# Altium PCB 智能马桶综合检测台_数据板V1.0.PcbDoc (part 4 of 8) (continued)
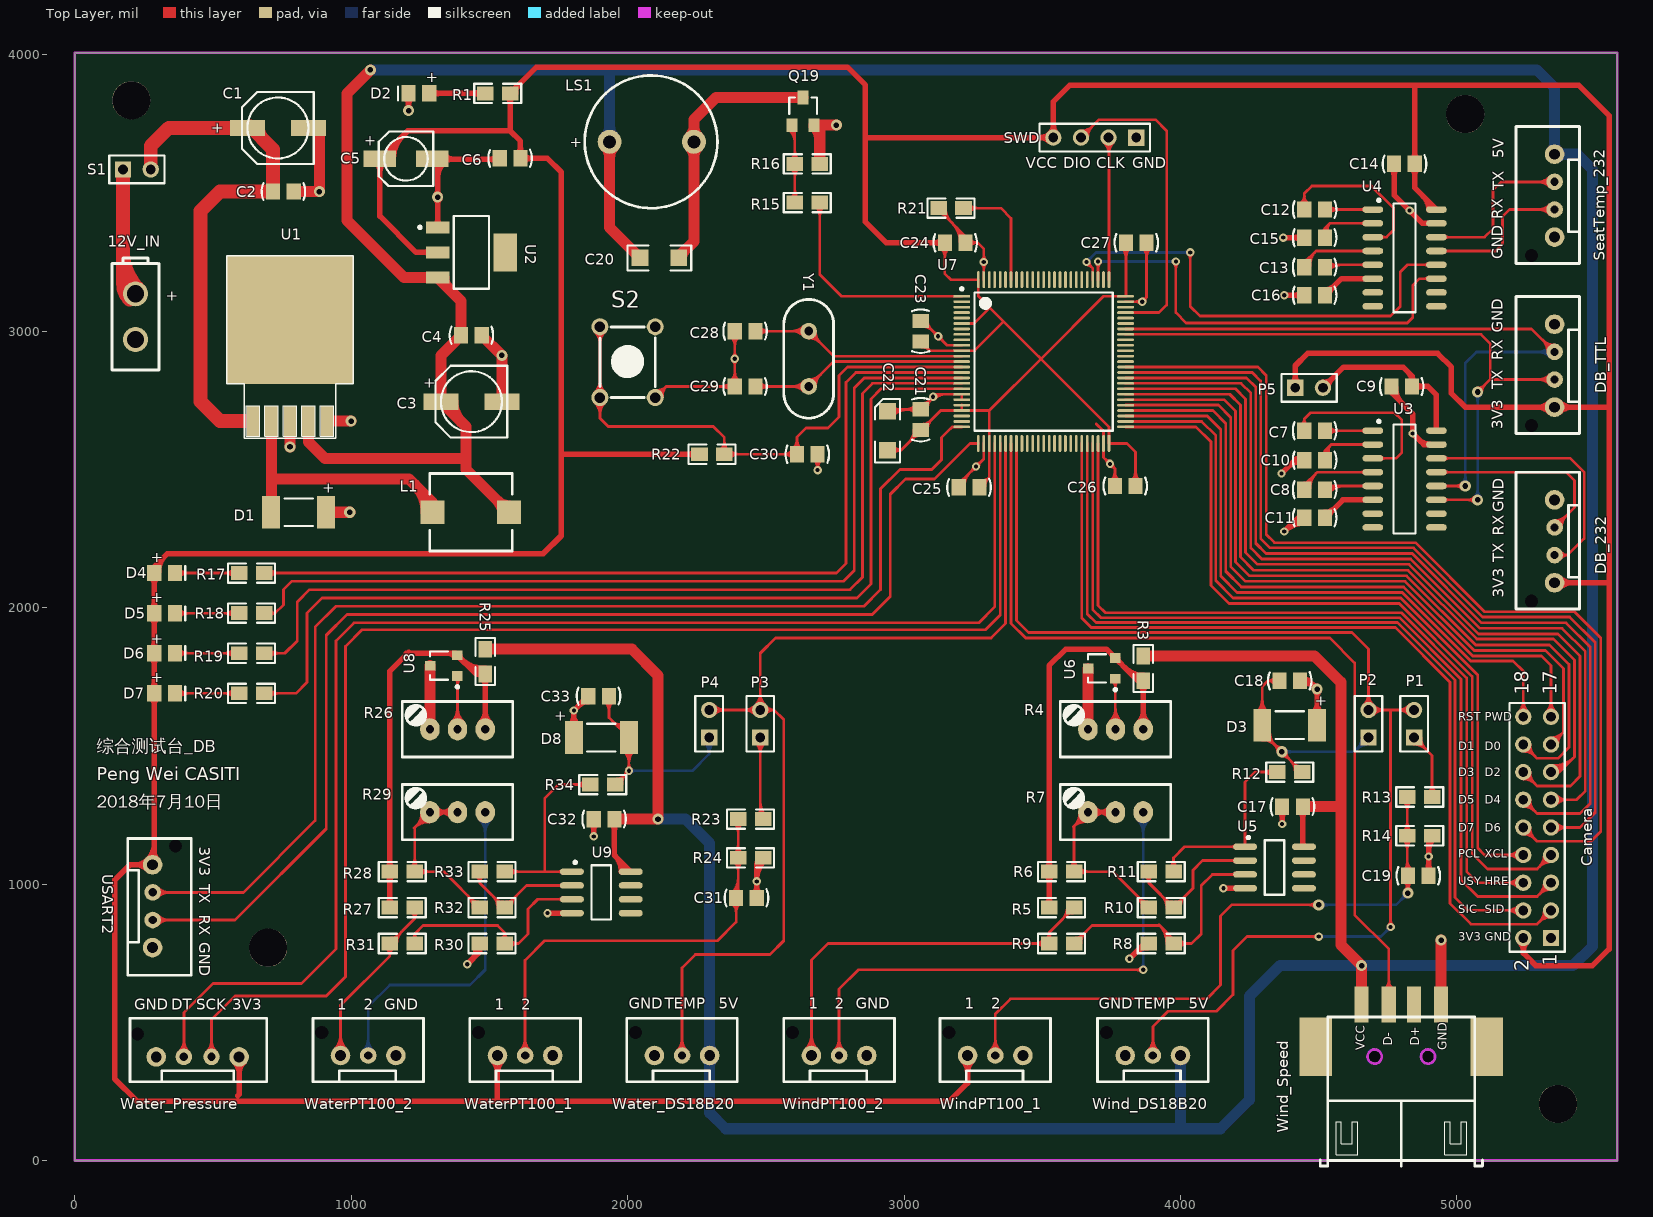
[diagram p0: Top Layer view]
## Nets (pads, with @x,y where several pads share a name; then routed paths per layer and width w, separated by ;. In a path a pad name is that pad's centre, name@x,y a point inside that pad or via, vN(x,y) a via of type N, cw(c..) or ccw(c..) an arc to the next point about the centre after c; other vN are vias at no path point) (continued)
  Bottom Layer w10: v2(4500,925) 4780,925 v2(4822.6,967.6) ; v2@4510.61,914.39 cw(c4536.21,888.79) 4536.21,925 ; v2@4510.61,914.39 cw(c4536.21,888.79) 4536.21,925 ; v2@4510.61,914.39 cw(c4536.21,888.79) 4536.21,925 ; v2@4510.61,914.39 cw(c4536.21,888.79) 4536.21,925 ; v2@4510.61,914.39 cw(c4536.21,888.79) 4536.21,925 ; v2@4510.61,914.39 cw(c4536.21,888.79) 4536.21,925 ; v2@4510.61,935.61 ccw(c4536.21,961.21) 4536.21,925 ; v2@4510.61,935.61 ccw(c4536.21,961.21) 4536.21,925 ; v2@4510.61,935.61 ccw(c4536.21,961.21) 4536.21,925 ; v2@4510.61,935.61 ccw(c4536.21,961.21) 4536.21,925 ; v2@4510.61,935.61 ccw(c4536.21,961.21) 4536.21,925 ; v2@4510.61,935.61 ccw(c4536.21,961.21) 4536.21,925 ; 4796.99,941.99 cw(c4822.6,916.39) v2@4822.6,952.6 ; 4796.99,941.99 ccw(c4771.39,967.6) v2@4807.6,967.6 ; 4796.99,941.99 ccw(c4771.39,967.6) v2@4807.6,967.6 ; 4796.99,941.99 cw(c4822.6,916.39) v2@4822.6,952.6 ; 4796.99,941.99 ccw(c4771.39,967.6) v2@4807.6,967.6 ; 4796.99,941.99 cw(c4822.6,916.39) v2@4822.6,952.6 ; 4796.99,941.99 ccw(c4771.39,967.6) v2@4807.6,967.6 ; 4796.99,941.99 cw(c4822.6,916.39) v2@4822.6,952.6 ; 4796.99,941.99 ccw(c4771.39,967.6) v2@4807.6,967.6 ; 4796.99,941.99 cw(c4822.6,916.39) v2@4822.6,952.6 ; 4796.99,941.99 ccw(c4771.39,967.6) v2@4807.6,967.6 ; 4796.99,941.99 cw(c4822.6,916.39) v2@4822.6,952.6
NetC20_1: C20.1 LS1.2 Q19.3 | length 2170.1
  Top Layer w40: C20.1@2190,3275 2240,3325 2240,3765 2320,3845 Q19.3@2635,3845 ; C20.1@2195,3265 cw(c2231.21,3265) C20.1@2205.61,3290.61 ; C20.1@2195,3265 cw(c2231.21,3265) C20.1@2205.61,3290.61 ; C20.1@2195,3265 cw(c2231.21,3265) C20.1@2205.61,3290.61 ; C20.1@2195,3265 cw(c2231.21,3265) C20.1@2205.61,3290.61 ; C20.1@2195,3265 cw(c2231.21,3265) C20.1@2205.61,3290.61 ; C20.1@2195,3265 cw(c2231.21,3265) C20.1@2205.61,3290.61 ; LS1.2@2223.52,3668.52 cw(c2183.73,3628.73) 2240,3628.73 ; LS1.2@2223.52,3668.52 cw(c2183.73,3628.73) 2240,3628.73 ; LS1.2@2223.52,3668.52 cw(c2183.73,3628.73) 2240,3628.73 ; LS1.2@2223.52,3668.52 cw(c2183.73,3628.73) 2240,3628.73 ; LS1.2@2223.52,3668.52 cw(c2183.73,3628.73) 2240,3628.73 ; LS1.2@2223.52,3668.52 cw(c2183.73,3628.73) 2240,3628.73 ; LS1.2@2223.52,3701.48 ccw(c2183.73,3741.27) 2240,3741.27 ; LS1.2@2223.52,3701.48 ccw(c2183.73,3741.27) 2240,3741.27 ; LS1.2@2223.52,3701.48 ccw(c2183.73,3741.27) 2240,3741.27 ; LS1.2@2223.52,3701.48 ccw(c2183.73,3741.27) 2240,3741.27 ; LS1.2@2223.52,3701.48 ccw(c2183.73,3741.27) 2240,3741.27 ; LS1.2@2223.52,3701.48 ccw(c2183.73,3741.27) 2240,3741.27 ; 2240,3628.73 cw(c2296.27,3628.73) LS1.2@2256.48,3668.52 ; 2240,3628.73 cw(c2296.27,3628.73) LS1.2@2256.48,3668.52 ; 2240,3628.73 cw(c2296.27,3628.73) LS1.2@2256.48,3668.52 ; 2240,3628.73 cw(c2296.27,3628.73) LS1.2@2256.48,3668.52 ; 2240,3628.73 cw(c2296.27,3628.73) LS1.2@2256.48,3668.52 ; 2240,3628.73 cw(c2296.27,3628.73) LS1.2@2256.48,3668.52 ; 2240,3741.27 ccw(c2296.27,3741.27) LS1.2@2256.48,3701.48 ; 2240,3741.27 ccw(c2296.27,3741.27) LS1.2@2256.48,3701.48 ; 2240,3741.27 ccw(c2296.27,3741.27) LS1.2@2256.48,3701.48 ; 2240,3741.27 ccw(c2296.27,3741.27) LS1.2@2256.48,3701.48 ; 2240,3741.27 ccw(c2296.27,3741.27) LS1.2@2256.48,3701.48 ; 2240,3741.27 ccw(c2296.27,3741.27) LS1.2@2256.48,3701.48
NetC31_1: C31.1 R23.1 R24.2 WaterPT100_1.2 | length 4992.3
  Top Layer w10: WaterPT100_1.2@1629.33,380 1629.33,724.33 1700,795 2325,795 2392.6,862.6 C31.1@2392.6,950 2400,957.4 R24.2@2400,1095 R23.1@2400,1235 ; WaterPT100_1.2@1611.66,397.68 ccw(c1568.98,440.36) 1629.33,440.36 ; WaterPT100_1.2@1611.66,397.68 ccw(c1568.98,440.36) 1629.33,440.36 ; WaterPT100_1.2@1611.66,397.68 ccw(c1568.98,440.36) 1629.33,440.36 ; WaterPT100_1.2@1611.66,397.68 ccw(c1568.98,440.36) 1629.33,440.36 ; WaterPT100_1.2@1611.66,397.68 ccw(c1568.98,440.36) 1629.33,440.36 ; WaterPT100_1.2@1611.66,397.68 ccw(c1568.98,440.36) 1629.33,440.36 ; WaterPT100_1.2@1618.73,390.61 ccw(c1593.12,416.21) 1629.33,416.21 ; WaterPT100_1.2@1618.73,390.61 ccw(c1593.12,416.21) 1629.33,416.21 ; WaterPT100_1.2@1618.73,390.61 ccw(c1593.12,416.21) 1629.33,416.21 ; WaterPT100_1.2@1618.73,390.61 ccw(c1593.12,416.21) 1629.33,416.21 ; WaterPT100_1.2@1618.73,390.61 ccw(c1593.12,416.21) 1629.33,416.21 ; WaterPT100_1.2@1618.73,390.61 ccw(c1593.12,416.21) 1629.33,416.21 ; 1629.33,416.21 ccw(c1665.55,416.21) WaterPT100_1.2@1639.94,390.61 ; 1629.33,416.21 ccw(c1665.55,416.21) WaterPT100_1.2@1639.94,390.61 ; 1629.33,416.21 ccw(c1665.55,416.21) WaterPT100_1.2@1639.94,390.61 ; 1629.33,416.21 ccw(c1665.55,416.21) WaterPT100_1.2@1639.94,390.61 ; 1629.33,416.21 ccw(c1665.55,416.21) WaterPT100_1.2@1639.94,390.61 ; 1629.33,416.21 ccw(c1665.55,416.21) WaterPT100_1.2@1639.94,390.61 ; 1629.33,440.36 ccw(c1689.69,440.36) WaterPT100_1.2@1647.01,397.68 ; 1629.33,440.36 ccw(c1689.69,440.36) WaterPT100_1.2@1647.01,397.68 ; 1629.33,440.36 ccw(c1689.69,440.36) WaterPT100_1.2@1647.01,397.68 ; 1629.33,440.36 ccw(c1689.69,440.36) WaterPT100_1.2@1647.01,397.68 ; 1629.33,440.36 ccw(c1689.69,440.36) WaterPT100_1.2@1647.01,397.68 ; 1629.33,440.36 ccw(c1689.69,440.36) WaterPT100_1.2@1647.01,397.68 ; C31.1@2378.04,931.5 cw(c2342.89,896.35) 2392.6,896.35 ; C31.1@2378.04,931.5 cw(c2342.89,896.35) 2392.6,896.35 ; C31.1@2378.04,931.5 cw(c2342.89,896.35) 2392.6,896.35 ; C31.1@2378.04,931.5 cw(c2342.89,896.35) 2392.6,896.35 ; C31.1@2378.04,931.5 cw(c2342.89,896.35) 2392.6,896.35 ; C31.1@2378.04,931.5 cw(c2342.89,896.35) 2392.6,896.35 ; C31.1@2378.04,968.5 ccw(c2325.02,1021.52) 2400,1021.52 ; C31.1@2378.04,968.5 ccw(c2325.02,1021.52) 2400,1021.52 ; C31.1@2378.04,968.5 ccw(c2325.02,1021.52) 2400,1021.52 ; C31.1@2378.04,968.5 ccw(c2325.02,1021.52) 2400,1021.52 ; C31.1@2378.04,968.5 ccw(c2325.02,1021.52) 2400,1021.52 ; C31.1@2378.04,968.5 ccw(c2325.02,1021.52) 2400,1021.52 ; C31.1@2385.11,961.43 ccw(c2349.16,997.37) 2400,997.37 ; C31.1@2385.11,961.43 ccw(c2349.16,997.37) 2400,997.37 ; C31.1@2385.11,961.43 ccw(c2349.16,997.37) 2400,997.37 ; C31.1@2385.11,961.43 ccw(c2349.16,997.37) 2400,997.37 ; C31.1@2385.11,961.43 ccw(c2349.16,997.37) 2400,997.37 ; C31.1@2385.11,961.43 ccw(c2349.16,997.37) 2400,997.37 ; R24.2@2385.86,1080.86 cw(c2351.72,1046.72) 2400,1046.72 ; R24.2@2385.86,1080.86 cw(c2351.72,1046.72) 2400,1046.72 ; R24.2@2385.86,1080.86 cw(c2351.72,1046.72) 2400,1046.72 ; R24.2@2385.86,1080.86 cw(c2351.72,1046.72) 2400,1046.72 ; R24.2@2385.86,1080.86 cw(c2351.72,1046.72) 2400,1046.72 ; R24.2@2385.86,1080.86 cw(c2351.72,1046.72) 2400,1046.72 ; R24.2@2385.86,1109.14 ccw(c2351.72,1143.28) 2400,1143.28 ; R24.2@2385.86,1109.14 ccw(c2351.72,1143.28) 2400,1143.28 ; R24.2@2385.86,1109.14 ccw(c2351.72,1143.28) 2400,1143.28 ; R24.2@2385.86,1109.14 ccw(c2351.72,1143.28) 2400,1143.28 ; R24.2@2385.86,1109.14 ccw(c2351.72,1143.28) 2400,1143.28 ; R24.2@2385.86,1109.14 ccw(c2351.72,1143.28) 2400,1143.28 ; R23.1@2385.86,1220.86 cw(c2351.72,1186.72) 2400,1186.72 ; R23.1@2385.86,1220.86 cw(c2351.72,1186.72) 2400,1186.72 ; R23.1@2385.86,1220.86 cw(c2351.72,1186.72) 2400,1186.72 ; R23.1@2385.86,1220.86 cw(c2351.72,1186.72) 2400,1186.72 ; R23.1@2385.86,1220.86 cw(c2351.72,1186.72) 2400,1186.72 ; R23.1@2385.86,1220.86 cw(c2351.72,1186.72) 2400,1186.72 ; 2392.6,896.35 cw(c2442.31,896.35) C31.1@2407.16,931.5 ; 2392.6,896.35 cw(c2442.31,896.35) C31.1@2407.16,931.5 ; 2392.6,896.35 cw(c2442.31,896.35) C31.1@2407.16,931.5 ; 2392.6,896.35 cw(c2442.31,896.35) C31.1@2407.16,931.5 ; 2392.6,896.35 cw(c2442.31,896.35) C31.1@2407.16,931.5 ; 2392.6,896.35 cw(c2442.31,896.35) C31.1@2407.16,931.5 ; 2400,985.78 ccw(c2424.44,985.78) C31.1@2407.16,968.5 ; 2400,985.78 ccw(c2424.44,985.78) C31.1@2407.16,968.5 ; 2400,985.78 ccw(c2424.44,985.78) C31.1@2407.16,968.5 ; 2400,985.78 ccw(c2424.44,985.78) C31.1@2407.16,968.5 ; 2400,985.78 ccw(c2424.44,985.78) C31.1@2407.16,968.5 ; 2400,985.78 ccw(c2424.44,985.78) C31.1@2407.16,968.5 ; 2400,1046.72 cw(c2448.28,1046.72) R24.2@2414.14,1080.86 ; 2400,1046.72 cw(c2448.28,1046.72) R24.2@2414.14,1080.86 ; 2400,1046.72 cw(c2448.28,1046.72) R24.2@2414.14,1080.86 ; 2400,1046.72 cw(c2448.28,1046.72) R24.2@2414.14,1080.86 ; 2400,1046.72 cw(c2448.28,1046.72) R24.2@2414.14,1080.86 ; 2400,1046.72 cw(c2448.28,1046.72) R24.2@2414.14,1080.86 ; 2400,1143.28 ccw(c2448.28,1143.28) R24.2@2414.14,1109.14 ; 2400,1143.28 ccw(c2448.28,1143.28) R24.2@2414.14,1109.14 ; 2400,1143.28 ccw(c2448.28,1143.28) R24.2@2414.14,1109.14 ; 2400,1143.28 ccw(c2448.28,1143.28) R24.2@2414.14,1109.14 ; 2400,1143.28 ccw(c2448.28,1143.28) R24.2@2414.14,1109.14 ; 2400,1143.28 ccw(c2448.28,1143.28) R24.2@2414.14,1109.14 ; 2400,1186.72 cw(c2448.28,1186.72) R23.1@2414.14,1220.86 ; 2400,1186.72 cw(c2448.28,1186.72) R23.1@2414.14,1220.86 ; 2400,1186.72 cw(c2448.28,1186.72) R23.1@2414.14,1220.86 ; 2400,1186.72 cw(c2448.28,1186.72) R23.1@2414.14,1220.86 ; 2400,1186.72 cw(c2448.28,1186.72) R23.1@2414.14,1220.86 ; 2400,1186.72 cw(c2448.28,1186.72) R23.1@2414.14,1220.86
NetC33_2: C33.2 D8.2 P4.1 R34.1 | length 4972.1
  Top Layer w10: C33.2@1932.4,1680 1932.4,1602.01 D8.2@2004.41,1530 2004.41,1409.41 R34.1@1955,1360 ; C33.2@1917.84,1661.5 cw(c1882.69,1626.35) 1932.4,1626.35 ; C33.2@1917.84,1661.5 cw(c1882.69,1626.35) 1932.4,1626.35 ; C33.2@1917.84,1661.5 cw(c1882.69,1626.35) 1932.4,1626.35 ; C33.2@1917.84,1661.5 cw(c1882.69,1626.35) 1932.4,1626.35 ; C33.2@1917.84,1661.5 cw(c1882.69,1626.35) 1932.4,1626.35 ; C33.2@1917.84,1661.5 cw(c1882.69,1626.35) 1932.4,1626.35 ; 1932.4,1626.35 cw(c1982.11,1626.35) C33.2@1946.96,1661.5 ; 1932.4,1626.35 cw(c1982.11,1626.35) C33.2@1946.96,1661.5 ; 1932.4,1626.35 cw(c1982.11,1626.35) C33.2@1946.96,1661.5 ; 1932.4,1626.35 cw(c1982.11,1626.35) C33.2@1946.96,1661.5 ; 1932.4,1626.35 cw(c1982.11,1626.35) C33.2@1946.96,1661.5 ; 1932.4,1626.35 cw(c1982.11,1626.35) C33.2@1946.96,1661.5 ; 1945.69,1588.72 ccw(c1974.16,1617.19) D8.2@1992.14,1581.16 ; 1945.69,1588.72 ccw(c1974.16,1617.19) D8.2@1992.14,1581.16 ; 1945.69,1588.72 ccw(c1974.16,1617.19) D8.2@1992.14,1581.16 ; 1945.69,1588.72 ccw(c1974.16,1617.19) D8.2@1992.14,1581.16 ; 1945.69,1588.72 ccw(c1974.16,1617.19) D8.2@1992.14,1581.16 ; 1945.69,1588.72 ccw(c1974.16,1617.19) D8.2@1992.14,1581.16 ; 1955.51,1578.9 ccw(c1980.7,1604.09) D8.2@1996.6,1572.22 ; 1955.51,1578.9 ccw(c1980.7,1604.09) D8.2@1996.6,1572.22 ; 1955.51,1578.9 ccw(c1980.7,1604.09) D8.2@1996.6,1572.22 ; 1955.51,1578.9 ccw(c1980.7,1604.09) D8.2@1996.6,1572.22 ; 1955.51,1578.9 ccw(c1980.7,1604.09) D8.2@1996.6,1572.22 ; 1955.51,1578.9 ccw(c1980.7,1604.09) D8.2@1996.6,1572.22 ; R34.1@1960,1380 ccw(c1960,1416.21) 1985.61,1390.61 ; R34.1@1960,1380 ccw(c1960,1416.21) 1985.61,1390.61 ; R34.1@1960,1380 ccw(c1960,1416.21) 1985.61,1390.61 ; R34.1@1960,1380 ccw(c1960,1416.21) 1985.61,1390.61 ; R34.1@1960,1380 ccw(c1960,1416.21) 1985.61,1390.61 ; R34.1@1960,1380 ccw(c1960,1416.21) 1985.61,1390.61 ; 1965.33,1569.08 ccw(c1987.23,1590.99) D8.2@2001.07,1563.27 ; 1965.33,1569.08 ccw(c1987.23,1590.99) D8.2@2001.07,1563.27 ; 1965.33,1569.08 ccw(c1987.23,1590.99) D8.2@2001.07,1563.27 ; 1965.33,1569.08 ccw(c1987.23,1590.99) D8.2@2001.07,1563.27 ; 1965.33,1569.08 ccw(c1987.23,1590.99) D8.2@2001.07,1563.27 ; 1965.33,1569.08 ccw(c1987.23,1590.99) D8.2@2001.07,1563.27 ; R34.1@1970,1360 cw(c2006.21,1360) 1980.61,1385.61 ; R34.1@1970,1360 cw(c2006.21,1360) 1980.61,1385.61 ; R34.1@1970,1360 cw(c2006.21,1360) 1980.61,1385.61 ; R34.1@1970,1360 cw(c2006.21,1360) 1980.61,1385.61 ; R34.1@1970,1360 cw(c2006.21,1360) 1980.61,1385.61 ; R34.1@1970,1360 cw(c2006.21,1360) 1980.61,1385.61 ; R34.1@1980,1360 cw(c2040.36,1360) v1@1997.68,1402.68 ; R34.1@1980,1360 cw(c2040.36,1360) v1@1997.68,1402.68 ; R34.1@1980,1360 cw(c2040.36,1360) v1@1997.68,1402.68 ; R34.1@1980,1360 cw(c2040.36,1360) v1@1997.68,1402.68 ; R34.1@1980,1360 cw(c2040.36,1360) v1@1997.68,1402.68 ; R34.1@1980,1360 cw(c2040.36,1360) v1@1997.68,1402.68 ; D8.2@1984.98,1483.99 cw(c1938.07,1437.08) 2004.41,1437.08 ; D8.2@1984.98,1483.99 cw(c1938.07,1437.08) 2004.41,1437.08 ; D8.2@1984.98,1483.99 cw(c1938.07,1437.08) 2004.41,1437.08 ; D8.2@1984.98,1483.99 cw(c1938.07,1437.08) 2004.41,1437.08 ; D8.2@1984.98,1483.99 cw(c1938.07,1437.08) 2004.41,1437.08 ; D8.2@1984.98,1483.99 cw(c1938.07,1437.08) 2004.41,1437.08 ; 1987.93,1392.93 cw(c2005,1375.86) v1@2005,1400 ; 1987.93,1392.93 ccw(c1970.86,1410) v1@1995,1410 ; 1987.93,1392.93 ccw(c1970.86,1410) v1@1995,1410 ; 1987.93,1392.93 cw(c2005,1375.86) v1@2005,1400 ; 1987.93,1392.93 ccw(c1970.86,1410) v1@1995,1410 ; 1987.93,1392.93 cw(c2005,1375.86) v1@2005,1400 ; 1987.93,1392.93 ccw(c1970.86,1410) v1@1995,1410 ; 1987.93,1392.93 cw(c2005,1375.86) v1@2005,1400 ; 1987.93,1392.93 ccw(c1970.86,1410) v1@1995,1410 ; 1987.93,1392.93 cw(c2005,1375.86) v1@2005,1400 ; D8.2@1992.05,1491.06 cw(c1962.21,1461.22) 2004.41,1461.22 ; D8.2@1992.05,1491.06 cw(c1962.21,1461.22) 2004.41,1461.22 ; D8.2@1992.05,1491.06 cw(c1962.21,1461.22) 2004.41,1461.22 ; D8.2@1992.05,1491.06 cw(c1962.21,1461.22) 2004.41,1461.22 ; D8.2@1992.05,1491.06 cw(c1962.21,1461.22) 2004.41,1461.22 ; D8.2@1992.05,1491.06 cw(c1962.21,1461.22) 2004.41,1461.22 ; v1@1997.93,1417.07 ccw(c1982.28,1432.72) 2004.41,1432.72 ; v1@1997.93,1417.07 ccw(c1982.28,1432.72) 2004.41,1432.72 ; v1@1997.93,1417.07 ccw(c1982.28,1432.72) 2004.41,1432.72 ; v1@1997.93,1417.07 ccw(c1982.28,1432.72) 2004.41,1432.72 ; v1@1997.93,1417.07 ccw(c1982.28,1432.72) 2004.41,1432.72 ; 2004.41,1435.57 ccw(c2030.57,1435.57) v1@2012.07,1417.07 ; 2004.41,1435.57 ccw(c2030.57,1435.57) v1@2012.07,1417.07 ; 2004.41,1435.57 ccw(c2030.57,1435.57) v1@2012.07,1417.07 ; 2004.41,1435.57 ccw(c2030.57,1435.57) v1@2012.07,1417.07 ; 2004.41,1435.57 ccw(c2030.57,1435.57) v1@2012.07,1417.07 ; 2004.41,1437.08 cw(c2070.75,1437.08) D8.2@2023.84,1483.99 ; 2004.41,1437.08 cw(c2070.75,1437.08) D8.2@2023.84,1483.99 ; 2004.41,1437.08 cw(c2070.75,1437.08) D8.2@2023.84,1483.99 ; 2004.41,1437.08 cw(c2070.75,1437.08) D8.2@2023.84,1483.99 ; 2004.41,1437.08 cw(c2070.75,1437.08) D8.2@2023.84,1483.99 ; 2004.41,1437.08 cw(c2070.75,1437.08) D8.2@2023.84,1483.99 ; 2004.41,1461.22 cw(c2046.61,1461.22) D8.2@2016.77,1491.06 ; 2004.41,1461.22 cw(c2046.61,1461.22) D8.2@2016.77,1491.06 ; 2004.41,1461.22 cw(c2046.61,1461.22) D8.2@2016.77,1491.06 ; 2004.41,1461.22 cw(c2046.61,1461.22) D8.2@2016.77,1491.06 ; 2004.41,1461.22 cw(c2046.61,1461.22) D8.2@2016.77,1491.06 ; 2004.41,1461.22 cw(c2046.61,1461.22) D8.2@2016.77,1491.06
  Bottom Layer w10: v1(2005,1410) 2235,1410 2295,1470 P4.1@2295,1530 ; v1@2012.07,1402.93 cw(c2029.14,1385.86) 2029.14,1410 ; v1@2012.07,1402.93 cw(c2029.14,1385.86) 2029.14,1410 ; v1@2012.07,1402.93 cw(c2029.14,1385.86) 2029.14,1410 ; v1@2012.07,1402.93 cw(c2029.14,1385.86) 2029.14,1410 ; v1@2012.07,1402.93 cw(c2029.14,1385.86) 2029.14,1410 ; v1@2012.07,1417.07 ccw(c2029.14,1434.14) 2029.14,1410 ; v1@2012.07,1417.07 ccw(c2029.14,1434.14) 2029.14,1410 ; v1@2012.07,1417.07 ccw(c2029.14,1434.14) 2029.14,1410 ; v1@2012.07,1417.07 ccw(c2029.14,1434.14) 2029.14,1410 ; v1@2012.07,1417.07 ccw(c2029.14,1434.14) 2029.14,1410 ; P4.1@2277.66,1512.66 cw(c2235.79,1470.79) 2295,1470.79 ; P4.1@2277.66,1512.66 cw(c2235.79,1470.79) 2295,1470.79 ; P4.1@2277.66,1512.66 cw(c2235.79,1470.79) 2295,1470.79 ; P4.1@2277.66,1512.66 cw(c2235.79,1470.79) 2295,1470.79 ; P4.1@2277.66,1512.66 cw(c2235.79,1470.79) 2295,1470.79 ; P4.1@2284.73,1519.73 cw(c2259.93,1494.93) 2295,1494.93 ; P4.1@2284.73,1519.73 cw(c2259.93,1494.93) 2295,1494.93 ; P4.1@2284.73,1519.73 cw(c2259.93,1494.93) 2295,1494.93 ; P4.1@2284.73,1519.73 cw(c2259.93,1494.93) 2295,1494.93 ; P4.1@2284.73,1519.73 cw(c2259.93,1494.93) 2295,1494.93 ; 2295,1470.79 cw(c2354.21,1470.79) P4.1@2312.34,1512.66 ; 2295,1470.79 cw(c2354.21,1470.79) P4.1@2312.34,1512.66 ; 2295,1470.79 cw(c2354.21,1470.79) P4.1@2312.34,1512.66 ; 2295,1470.79 cw(c2354.21,1470.79) P4.1@2312.34,1512.66 ; 2295,1470.79 cw(c2354.21,1470.79) P4.1@2312.34,1512.66 ; 2295,1494.93 cw(c2330.07,1494.93) P4.1@2305.27,1519.73 ; 2295,1494.93 cw(c2330.07,1494.93) P4.1@2305.27,1519.73 ; 2295,1494.93 cw(c2330.07,1494.93) P4.1@2305.27,1519.73 ; 2295,1494.93 cw(c2330.07,1494.93) P4.1@2305.27,1519.73 ; 2295,1494.93 cw(c2330.07,1494.93) P4.1@2305.27,1519.73
NetD1_2: D1.2 L1.1 U1.2 | length 1812
  Top Layer w40: D1.2@710.59,2345 D1.2@711.93,2346.34 ; D1.2@711.93,2345 U1.2@711.93,2675 ; 711.93,2465 1210,2465 1295,2380 L1.1@1295,2345 ; D1.2@701.77,2380.4 ccw(c677.23,2404.94) 711.93,2404.94 ; D1.2@701.77,2380.4 ccw(c677.23,2404.94) 711.93,2404.94 ; D1.2@701.77,2380.4 ccw(c677.23,2404.94) 711.93,2404.94 ; D1.2@701.77,2380.4 ccw(c677.23,2404.94) 711.93,2404.94 ; D1.2@701.77,2380.4 ccw(c677.23,2404.94) 711.93,2404.94 ; D1.2@701.77,2380.4 ccw(c677.23,2404.94) 711.93,2404.94 ; 1230.46,2444.54 cw(c1130.93,2345) L1.1@1271.69,2345 ; 1230.46,2444.54 cw(c1130.93,2345) L1.1@1271.69,2345 ; 1230.46,2444.54 cw(c1130.93,2345) L1.1@1271.69,2345 ; 1230.46,2444.54 cw(c1130.93,2345) L1.1@1271.69,2345 ; 1230.46,2444.54 cw(c1130.93,2345) L1.1@1271.69,2345 ; 1230.46,2444.54 cw(c1130.93,2345) L1.1@1271.69,2345
NetD2_1: D2.1 R1.1 | length 898.6
  Top Layer w20: D2.1@1282.4,3860 R1.1@1485,3860 ; D2.1@1293.43,3848.98 cw(c1320.04,3822.36) 1320.04,3860 ; D2.1@1293.43,3848.98 cw(c1320.04,3822.36) 1320.04,3860 ; D2.1@1293.43,3848.98 cw(c1320.04,3822.36) 1320.04,3860 ; D2.1@1293.43,3848.98 cw(c1320.04,3822.36) 1320.04,3860 ; D2.1@1293.43,3848.98 cw(c1320.04,3822.36) 1320.04,3860 ; D2.1@1293.43,3848.98 cw(c1320.04,3822.36) 1320.04,3860 ; D2.1@1293.43,3871.02 ccw(c1320.04,3897.64) 1320.04,3860 ; D2.1@1293.43,3871.02 ccw(c1320.04,3897.64) 1320.04,3860 ; D2.1@1293.43,3871.02 ccw(c1320.04,3897.64) 1320.04,3860 ; D2.1@1293.43,3871.02 ccw(c1320.04,3897.64) 1320.04,3860 ; D2.1@1293.43,3871.02 ccw(c1320.04,3897.64) 1320.04,3860 ; D2.1@1293.43,3871.02 ccw(c1320.04,3897.64) 1320.04,3860 ; 1443.79,3860 cw(c1443.79,3823.79) R1.1@1469.39,3849.39 ; 1443.79,3860 ccw(c1443.79,3896.21) R1.1@1469.39,3870.61 ; 1443.79,3860 ccw(c1443.79,3896.21) R1.1@1469.39,3870.61 ; 1443.79,3860 cw(c1443.79,3823.79) R1.1@1469.39,3849.39 ; 1443.79,3860 ccw(c1443.79,3896.21) R1.1@1469.39,3870.61 ; 1443.79,3860 cw(c1443.79,3823.79) R1.1@1469.39,3849.39 ; 1443.79,3860 ccw(c1443.79,3896.21) R1.1@1469.39,3870.61 ; 1443.79,3860 cw(c1443.79,3823.79) R1.1@1469.39,3849.39 ; 1443.79,3860 ccw(c1443.79,3896.21) R1.1@1469.39,3870.61 ; 1443.79,3860 cw(c1443.79,3823.79) R1.1@1469.39,3849.39 ; 1443.79,3860 ccw(c1443.79,3896.21) R1.1@1469.39,3870.61 ; 1443.79,3860 cw(c1443.79,3823.79) R1.1@1469.39,3849.39
NetD4_2: D4.2 R17.2 | length 1283.8
  Top Layer w10: D4.2@362.87,2125 R17.2@595,2125 ; D4.2@369.89,2132.96 ccw(c389.11,2152.18) 389.11,2125 ; D4.2@369.89,2132.96 ccw(c389.11,2152.18) 389.11,2125 ; D4.2@369.89,2132.96 ccw(c389.11,2152.18) 389.11,2125 ; D4.2@369.89,2132.96 ccw(c389.11,2152.18) 389.11,2125 ; D4.2@369.89,2132.96 ccw(c389.11,2152.18) 389.11,2125 ; D4.2@369.89,2132.96 ccw(c389.11,2152.18) 389.11,2125 ; D4.2@376.96,2110.91 cw(c410.97,2076.9) 410.97,2125 ; D4.2@376.96,2110.91 cw(c410.97,2076.9) 410.97,2125 ; D4.2@376.96,2110.91 cw(c410.97,2076.9) 410.97,2125 ; D4.2@376.96,2110.91 cw(c410.97,2076.9) 410.97,2125 ; D4.2@376.96,2110.91 cw(c410.97,2076.9) 410.97,2125 ; D4.2@376.96,2110.91 cw(c410.97,2076.9) 410.97,2125 ; D4.2@376.96,2140.03 ccw(c413.25,2176.32) 413.25,2125 ; D4.2@376.96,2140.03 ccw(c413.25,2176.32) 413.25,2125 ; D4.2@376.96,2140.03 ccw(c413.25,2176.32) 413.25,2125 ; D4.2@376.96,2140.03 ccw(c413.25,2176.32) 413.25,2125 ; D4.2@376.96,2140.03 ccw(c413.25,2176.32) 413.25,2125 ; D4.2@376.96,2140.03 ccw(c413.25,2176.32) 413.25,2125 ; 541.72,2125 cw(c541.72,2076.72) R17.2@575.86,2110.86 ; 541.72,2125 ccw(c541.72,2173.28) R17.2@575.86,2139.14 ; 541.72,2125 ccw(c541.72,2173.28) R17.2@575.86,2139.14 ; 541.72,2125 cw(c541.72,2076.72) R17.2@575.86,2110.86 ; 541.72,2125 ccw(c541.72,2173.28) R17.2@575.86,2139.14 ; 541.72,2125 cw(c541.72,2076.72) R17.2@575.86,2110.86 ; 541.72,2125 ccw(c541.72,2173.28) R17.2@575.86,2139.14 ; 541.72,2125 cw(c541.72,2076.72) R17.2@575.86,2110.86 ; 541.72,2125 ccw(c541.72,2173.28) R17.2@575.86,2139.14 ; 541.72,2125 cw(c541.72,2076.72) R17.2@575.86,2110.86 ; 541.72,2125 ccw(c541.72,2173.28) R17.2@575.86,2139.14 ; 541.72,2125 cw(c541.72,2076.72) R17.2@575.86,2110.86
NetD5_2: D5.2 R18.2 | length 1277.7
  Top Layer w10: D5.2@362.4,1979.53 594.53,1979.53 R18.2@595,1980 ; D5.2@376.96,1964.97 cw(c412.11,1929.82) 412.11,1979.53 ; D5.2@376.96,1964.97 cw(c412.11,1929.82) 412.11,1979.53 ; D5.2@376.96,1964.97 cw(c412.11,1929.82) 412.11,1979.53 ; D5.2@376.96,1964.97 cw(c412.11,1929.82) 412.11,1979.53 ; D5.2@376.96,1964.97 cw(c412.11,1929.82) 412.11,1979.53 ; D5.2@376.96,1964.97 cw(c412.11,1929.82) 412.11,1979.53 ; D5.2@376.96,1994.09 ccw(c412.11,2029.24) 412.11,1979.53 ; D5.2@376.96,1994.09 ccw(c412.11,2029.24) 412.11,1979.53 ; D5.2@376.96,1994.09 ccw(c412.11,2029.24) 412.11,1979.53 ; D5.2@376.96,1994.09 ccw(c412.11,2029.24) 412.11,1979.53 ; D5.2@376.96,1994.09 ccw(c412.11,2029.24) 412.11,1979.53 ; D5.2@376.96,1994.09 ccw(c412.11,2029.24) 412.11,1979.53 ; 540.58,1979.53 ccw(c540.58,2029.42) R18.2@575.86,1994.14 ; 540.58,1979.53 ccw(c540.58,2029.42) R18.2@575.86,1994.14 ; 540.58,1979.53 ccw(c540.58,2029.42) R18.2@575.86,1994.14 ; 540.58,1979.53 ccw(c540.58,2029.42) R18.2@575.86,1994.14 ; 540.58,1979.53 ccw(c540.58,2029.42) R18.2@575.86,1994.14 ; 540.58,1979.53 ccw(c540.58,2029.42) R18.2@575.86,1994.14 ; 542.86,1979.53 cw(c542.86,1932.86) R18.2@575.86,1965.86 ; 542.86,1979.53 cw(c542.86,1932.86) R18.2@575.86,1965.86 ; 542.86,1979.53 cw(c542.86,1932.86) R18.2@575.86,1965.86 ; 542.86,1979.53 cw(c542.86,1932.86) R18.2@575.86,1965.86 ; 542.86,1979.53 cw(c542.86,1932.86) R18.2@575.86,1965.86 ; 542.86,1979.53 cw(c542.86,1932.86) R18.2@575.86,1965.86 ; 564.72,1979.53 ccw(c564.72,2005.28) R18.2@582.93,1987.07 ; 564.72,1979.53 ccw(c564.72,2005.28) R18.2@582.93,1987.07 ; 564.72,1979.53 ccw(c564.72,2005.28) R18.2@582.93,1987.07 ; 564.72,1979.53 ccw(c564.72,2005.28) R18.2@582.93,1987.07 ; 564.72,1979.53 ccw(c564.72,2005.28) R18.2@582.93,1987.07 ; 564.72,1979.53 ccw(c564.72,2005.28) R18.2@582.93,1987.07
NetD6_2: D6.2 R19.2 | length 1156.2
  Top Layer w10: D6.2@362.4,1835 R19.2@595,1835 ; D6.2@376.96,1820.44 cw(c412.11,1785.29) 412.11,1835 ; D6.2@376.96,1820.44 cw(c412.11,1785.29) 412.11,1835 ; D6.2@376.96,1820.44 cw(c412.11,1785.29) 412.11,1835 ; D6.2@376.96,1820.44 cw(c412.11,1785.29) 412.11,1835 ; D6.2@376.96,1820.44 cw(c412.11,1785.29) 412.11,1835 ; D6.2@376.96,1820.44 cw(c412.11,1785.29) 412.11,1835 ; D6.2@376.96,1849.56 ccw(c412.11,1884.71) 412.11,1835 ; D6.2@376.96,1849.56 ccw(c412.11,1884.71) 412.11,1835 ; D6.2@376.96,1849.56 ccw(c412.11,1884.71) 412.11,1835 ; D6.2@376.96,1849.56 ccw(c412.11,1884.71) 412.11,1835 ; D6.2@376.96,1849.56 ccw(c412.11,1884.71) 412.11,1835 ; D6.2@376.96,1849.56 ccw(c412.11,1884.71) 412.11,1835 ; 541.72,1835 cw(c541.72,1786.72) R19.2@575.86,1820.86 ; 541.72,1835 ccw(c541.72,1883.28) R19.2@575.86,1849.14 ; 541.72,1835 ccw(c541.72,1883.28) R19.2@575.86,1849.14 ; 541.72,1835 cw(c541.72,1786.72) R19.2@575.86,1820.86 ; 541.72,1835 ccw(c541.72,1883.28) R19.2@575.86,1849.14 ; 541.72,1835 cw(c541.72,1786.72) R19.2@575.86,1820.86 ; 541.72,1835 ccw(c541.72,1883.28) R19.2@575.86,1849.14 ; 541.72,1835 cw(c541.72,1786.72) R19.2@575.86,1820.86 ; 541.72,1835 ccw(c541.72,1883.28) R19.2@575.86,1849.14 ; 541.72,1835 cw(c541.72,1786.72) R19.2@575.86,1820.86 ; 541.72,1835 ccw(c541.72,1883.28) R19.2@575.86,1849.14 ; 541.72,1835 cw(c541.72,1786.72) R19.2@575.86,1820.86